# Altium PCB Kit ELO_DEVMPDv1.PcbDoc
Units mm, origin at the board's own origin, x right, y up, seen from the top; angles counter-clockwise.
Board outline 68 x 33 mm, 4 copper layers (Top Layer, Signal Layer 2, Signal Layer 1, Bottom Layer), stack 1.66 mm thick; 69 components, 70 nets, 254 pads, 99 vias.
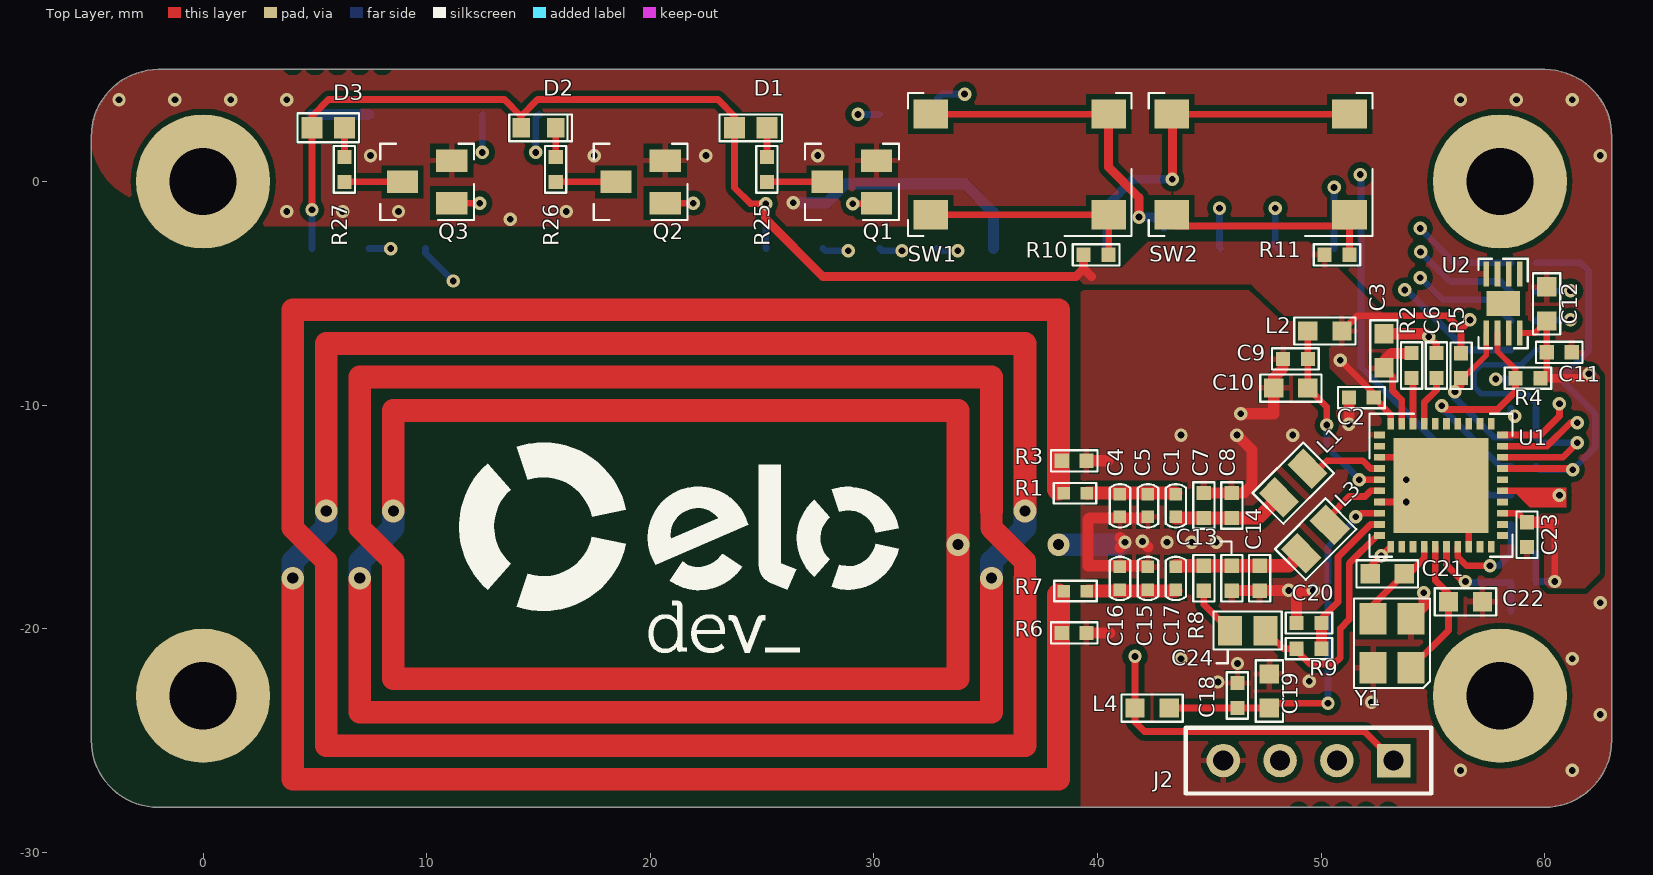
[diagram p0: Top Layer view]
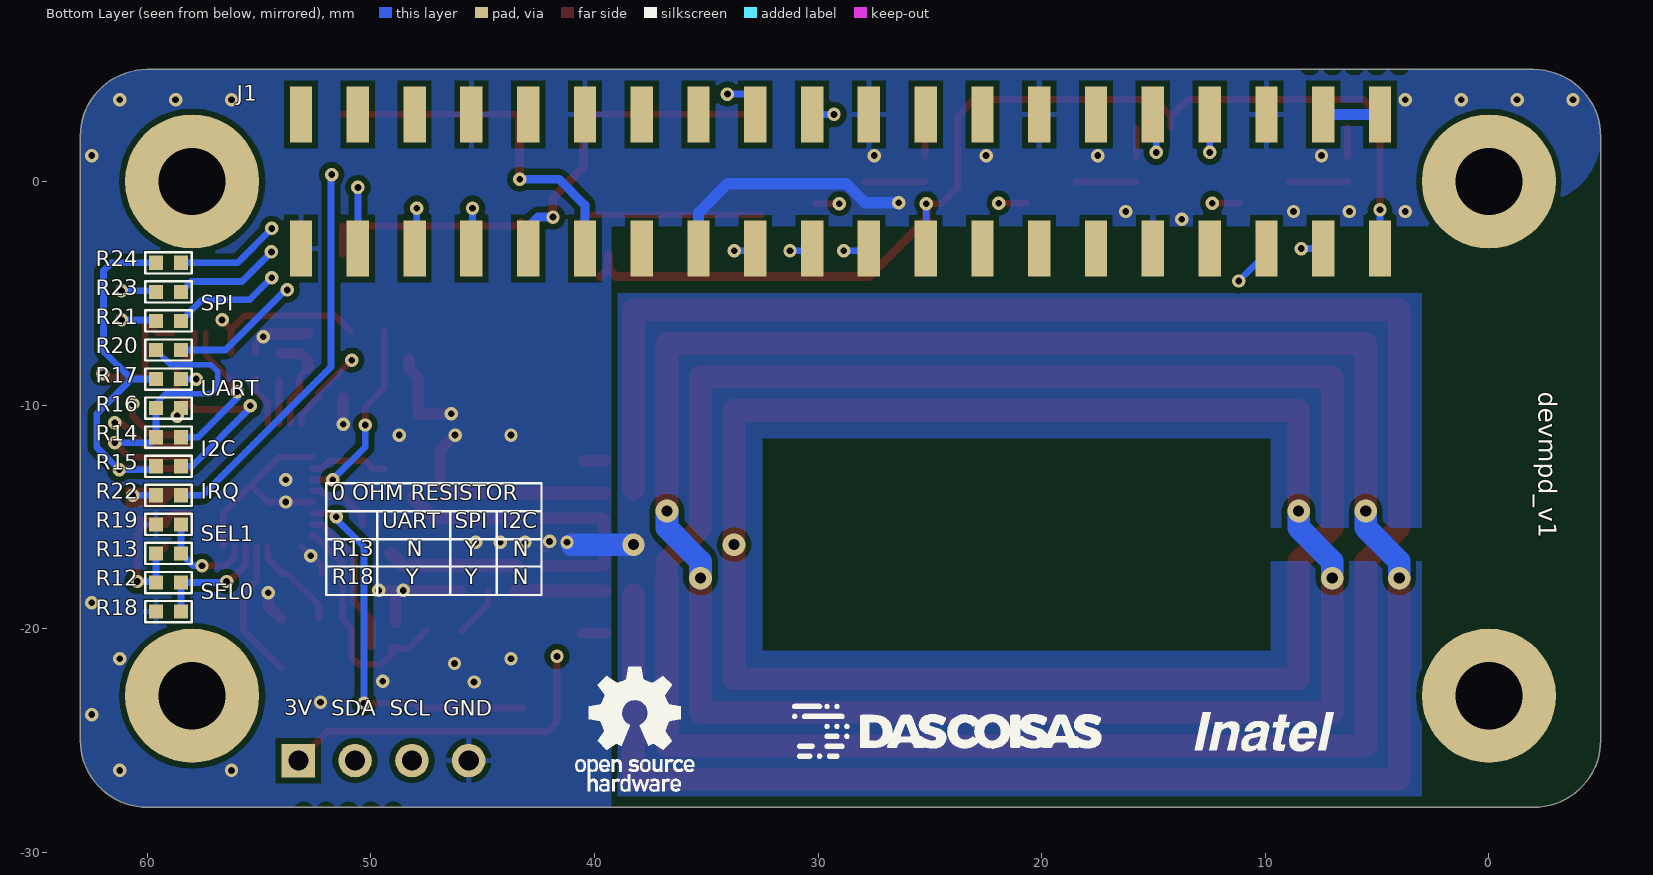
[diagram p1: Bottom Layer view, seen from below]
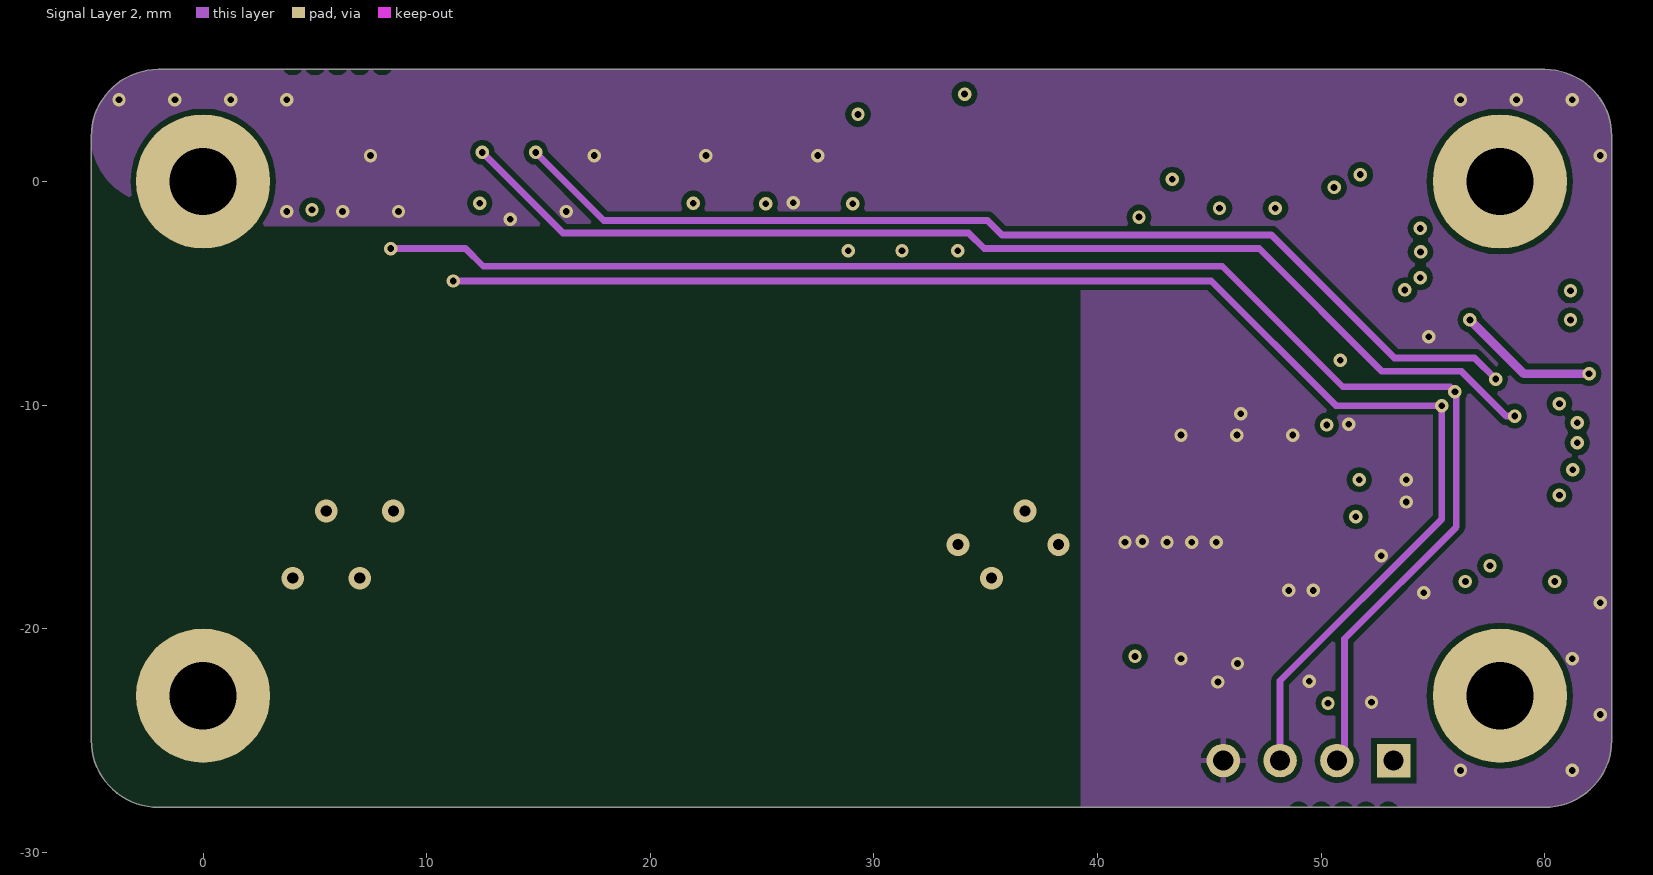
[diagram p2: Signal Layer 2]
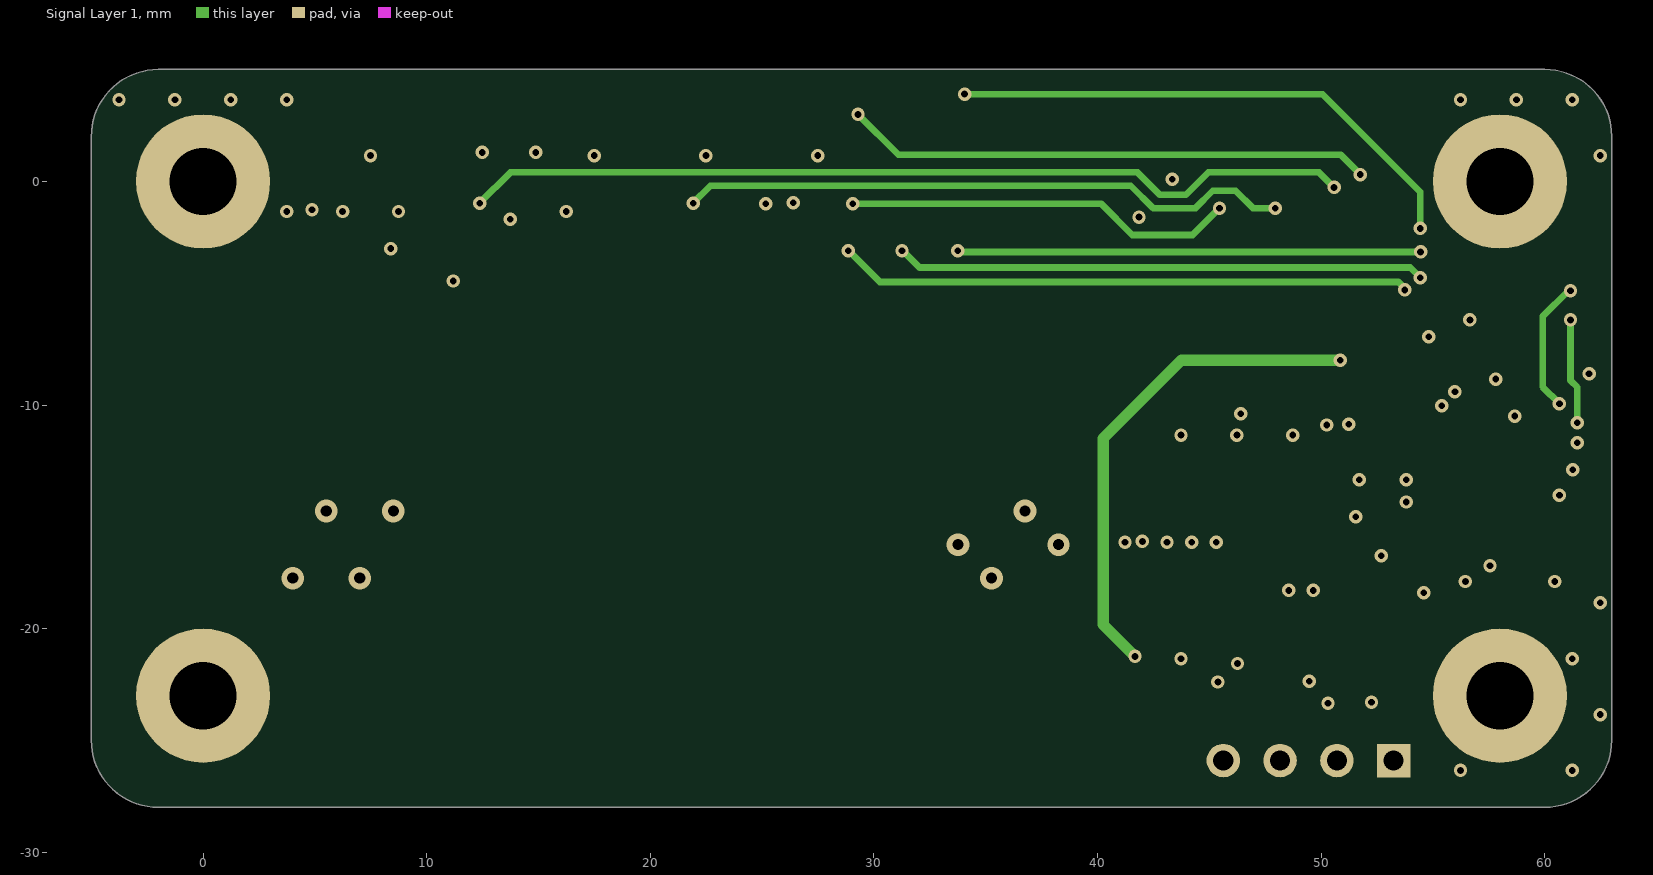
[diagram p3: Signal Layer 1]

## Layer stack, top to bottom
Top Solder: solder mask 0.0102, Solder Resist, Dk 3.5
Top Layer: signal copper 0.035
Dielectric 3: dielectric 0.36, Dk 4.2
Signal Layer 2: signal copper 0.035
Dielectric 1: dielectric 0.8, FR-4, Dk 4.8
Signal Layer 1: signal copper 0.035
Dielectric 2: dielectric 0.36, Dk 4.2
Bottom Layer: signal copper 0.035
Bottom Solder: solder mask 0.0102, Solder Resist, Dk 3.5

## Board outline
-5,-24.99 -5,2.01 cw(c-2,2.01) -2,5.01 60.01,5.01 cw(c60.01,2.02) 63,2.02 63,-24.99 cw(c60,-24.99) 60,-27.99 -2,-27.99 cw(c-2,-24.99)

## Design rules (kind name [scope] priority, off if disabled: settings)
Clearance [All] p1: gap=0.254 ignorepadtopadclearanceinfootprint=FALSE except(0: Arc-Hole Track-Hole SMDPad-Hole THPad-Hole Via-Hole Fill-Hole Poly-Hole Region-Hole Text-Hole; 0.14: SMDPad-SMDPad; 0.2: Arc-Arc Arc-Track Arc-SMDPad Arc-Via Track-Track Track-SMDPad Track-Via)
HoleSize [All] p1: absolutevalues=TRUE maxlimit=6 minlimit=0.025 maxpercent=80.000 minpercent=20.000
PolygonConnect PolygonConnect_1 [IsVia] p1: connectstyle=Direct reliefconductorwidth=0.254 reliefentries=4 polygonreliefangle="45 Angle" airgapwidth=0.254
PolygonConnect [All] p2: connectstyle=Relief reliefconductorwidth=0.254 reliefentries=4 polygonreliefangle="90 Angle" airgapwidth=0.254
RoutingVias [All] p1: holewidth=0.3 width=0.6 viastyle="Through Hole" minholewidth=0.3 minwidth=0.6 maxholewidth=0.5 maxwidth=1
SilkToSilkClearance [All] p1: silktosilkclearance=0.12
SilkToSolderMaskClearance [IsPad] p1: minsilkscreentomaskgap=0.05 clearancetoexposedcopper=TRUE
SolderMaskExpansion [All] p1: expansion=0.102
Width [All] p1: maxlimit=1.5 minlimit=0.2 preferedwidth=0.254
27 further rules are at their usual default settings.

## Components (designator, comment, footprint, x,y, rotation, side; value= is the part's Value field where it differs from the comment)
C1 "56pF" 0402-3D 43.509,-14.492 r90 top
C2 "0.1uF" "STD 0402 REFLOW CAP" 51.804,-9.663 r0 top
C3 "10uF" "STD 0603 REFLOW CAP" 52.813,-7.575 r90 top
C4 "20pF" 0402-3D 41.009,-14.492 r90 top
C5 "430pF" 0402-3D 42.259,-14.492 r90 top
C6 "0.1uF" "STD 0402 REFLOW CAP" 55.163,-8.229 r270 top
C7 "NC" "STD 0402 REFLOW CAP" 44.759,-14.492 r90 top
C8 "220pF" "STD 0402 REFLOW CAP" 46.009,-14.492 r270 top
C9 "0.1uF" "STD 0402 REFLOW CAP" 48.854,-7.937 r0 top
C10 "10uF" "STD 0603 REFLOW CAP" 48.651,-9.237 r0 top
C11 "0.1uF" "STD 0402 REFLOW CAP" 60.654,-7.642 r180 top
C12 "10uF" "STD 0603 REFLOW CAP" 60.095,-5.475 r90 top
C13 "NC" "STD 0402 REFLOW CAP" 46.009,-17.742 r90 top
C14 "220pF" "STD 0402 REFLOW CAP" 47.259,-17.742 r270 top
C15 "20pF" 0402-3D 42.259,-17.742 r90 top
C16 "430pF" 0402-3D 41.009,-17.742 r90 top
C17 "56pF" 0402-3D 43.509,-17.742 r90 top
C18 "0.1uF" "STD 0402 REFLOW CAP" 46.263,-22.991 r270 top
C19 "10uF" "STD 0603 REFLOW CAP" 47.688,-22.788 r270 top
C20 "0.1uF" "STD 0402 REFLOW CAP" 49.463,-19.748 r0 top
C21 "33pF" "STD 0603 REFLOW CAP" 52.963,-17.55 r0 top
C22 "33pF" "STD 0603 REFLOW CAP" 56.462,-18.8 r180 top
C23 "0.1uF" "STD 0402 REFLOW CAP" 59.213,-15.796 r90 top
C24 "1000pF" "STD 0805 REFLOW CAP" 46.719,-20.085 r180 top
D1 "Red" "STD 0603 REFLOW LED RED" 24.495,2.4 r0 top
D2 "Blue" "STD 0603 REFLOW LED BLUE" 14.996,2.4 r0 top
D3 "Yellow" "STD 0603 REFLOW LED YELLOW" 5.595,2.4 r0 top
J1 "NPTC202KFMS-RC" "CONNECTOR 2.54 20X2 POS" 29,0 r180 bottom
J2 "CONN HEADER 4POS .100 STR TIN" ".100 MILS / 1MM / 4POS" 53.25,-25.9 r180 top
L1 "560nH" "STD 0805 REFLOW IND" 48.759,-13.492 r225 top
L2 "MMZ1608B121CTAH0" "STD 0603 REFLOW IND" 50.175,-6.687 r0 top
L3 "560nH" "STD 0805 REFLOW IND" 49.759,-15.992 r225 top
L4 "MMZ1608B121CTAH0" "STD 0603 REFLOW IND" 42.444,-23.55 r180 top
Q1 "BSS138LT3G" "TO-236-3, SC-59, SOT-23-3" 29.02,-0.018 r90 top
Q2 "BSS138LT3G" "TO-236-3, SC-59, SOT-23-3" 19.57,-0.018 r90 top
Q3 "BSS138LT3G" "TO-236-3, SC-59, SOT-23-3" 10.02,-0.018 r90 top
R1 "0.5R" 0402-3D 39.009,-13.942 r0 top
R2 "10k" "STD 0402 REFLOW RES" 54.05,-8.229 r270 top
R3 "NC" "STD 0402 REFLOW RES" 38.959,-12.492 r180 top
R4 "4.7k" "STD 0402 REFLOW RES" 59.259,-8.8 r0 top
R5 "4.7k" "STD 0402 REFLOW RES" 56.263,-8.237 r90 top
R6 "NC" "STD 0402 REFLOW RES" 38.959,-20.192 r0 top
R7 "0.5R" 0402-3D 39.009,-18.317 r180 top
R8 "1.69k" "STD 0402 REFLOW RES" 44.759,-17.742 r90 top
R9 "1k" "STD 0402 REFLOW RES" 49.463,-20.898 r0 top
R10 "4.7k" "STD 0402 REFLOW RES" 39.941,-3.279 r180 top
R11 "4.7k" "STD 0402 REFLOW RES" 50.716,-3.279 r180 top
R12 "10k" "STD 0402 REFLOW RES" 59.054,-17.937 r0 bottom
R13 "DNP" "STD 0402 REFLOW RES" 59.054,-16.637 r0 bottom
R14 "0.0" "STD 0402 REFLOW RES" 59.054,-11.437 r180 bottom
R15 "0.0" "STD 0402 REFLOW RES" 59.054,-12.737 r180 bottom
R16 "DNP" "STD 0402 REFLOW RES" 59.054,-10.137 r180 bottom
R17 "DNP" "STD 0402 REFLOW RES" 59.054,-8.837 r180 bottom
R18 "DNP" "STD 0402 REFLOW RES" 59.054,-19.237 r180 bottom
R19 "10k" "STD 0402 REFLOW RES" 59.054,-15.337 r180 bottom
R20 "DNP" "STD 0402 REFLOW RES" 59.054,-7.537 r180 bottom
R21 "DNP" "STD 0402 REFLOW RES" 59.054,-6.237 r180 bottom
R22 "0.0" "STD 0402 REFLOW RES" 59.054,-14.037 r180 bottom
R23 "DNP" "STD 0402 REFLOW RES" 59.054,-4.937 r180 bottom
R24 "DNP" "STD 0402 REFLOW RES" 59.054,-3.637 r180 bottom
R25 "68" "STD 0402 REFLOW RES" 25.22,0.541 r270 top
R26 "68" "STD 0402 REFLOW RES" 15.77,0.541 r270 top
R27 "68" "STD 0402 REFLOW RES" 6.32,0.541 r270 top
SW1 "PTS645SL50SMTR92 LFS" "CK PTS645SM43SMTR92" 36.525,0.763 r180 top
SW2 "PTS645SL50SMTR92 LFS" "CK PTS645SM43SMTR92" 47.3,0.763 r180 top
U1 "PN5321A3HN/C106;55" "40-HVQFN (6X6)" 55.363,-13.587 r0 top locked
U2 "ATECC508A-MAHDA-S" "8-UDFN (2x3)" 58.145,-5.457 r270 top
Y1 "27.12MHz" 7M-27.120MEEQ-T 53.174,-20.651 r90 top
? "Comment" RASPBERRY-PI-ZERO 0,-23.222 r0 top locked

## Footprints (in the part's own frame and the unit in brackets; to place one, negate y for a bottom-side part, rotate by r counter-clockwise, add the part's x,y. Pads: shape width x height; smd on the part's side, far side on the other; paste and mask are expansions set on the pad)
7M-27.120MEEQ-T [mm]
  rect 1.4x1.2 smd: 1(-1.1,-0.85) 2(1.1,-0.85) 3(1.1,0.85) 4(-1.1,0.85)
  silkscreen extent -2,-1.7 2,1.7, body extent -1.62,-1.32 1.58,1.18, height 0.7
"8-UDFN (2x3)" [mm]
  rect 1.1x0.25 smd: 1(-1.32,0.75) 2(-1.32,0.25) 3(-1.32,-0.25) 4(-1.32,-0.75) 5(1.32,-0.75) 6(1.32,-0.25) 7(1.32,0.25) 8(1.32,0.75)
  rect 1.14x1.5 smd: 9(0,0)
  silkscreen extent -2,-1.1 2,1.1, body extent -1.55,-1.05 1.55,1.05, height 0.6
"40-HVQFN (6X6)" [mm]
  rect 0.5x0.3 smd: 1(-2.75,2.25) 2(-2.75,1.75) 3(-2.75,1.25) 4(-2.75,0.75) 5(-2.75,0.25) 6(-2.75,-0.25) 7(-2.75,-0.75) 8(-2.75,-1.25) 9(-2.75,-1.75) 10(-2.75,-2.25) 21(2.75,-2.25) 22(2.75,-1.75) 23(2.75,-1.25) 24(2.75,-0.75) 25(2.75,-0.25) 26(2.75,0.25) 27(2.75,0.75) 28(2.75,1.25) 29(2.75,1.75) 30(2.75,2.25)
  rect 0.3x0.5 smd: 11(-2.25,-2.75) 12(-1.75,-2.75) 13(-1.25,-2.75) 14(-0.75,-2.75) 15(-0.25,-2.75) 16(0.25,-2.75) 17(0.75,-2.75) 18(1.25,-2.75) 19(1.75,-2.75) 20(2.25,-2.75) 31(2.25,2.75) 32(1.75,2.75) 33(1.25,2.75) 34(0.75,2.75) 35(0.25,2.75) 36(-0.25,2.75) 37(-0.75,2.75) 38(-1.25,2.75) 39(-1.75,2.75) 40(-2.25,2.75)
  rect 4.25x4.25 smd: TP(0,0)
  silkscreen extent -3.2,-3.2 3.2,3.2, body extent -2.95,-2.95 2.95,2.95, height 1
0402-3D [mil] "0402-3D"
  rect 22x22 smd: 1(-20,0) 2(20,0)
  silkscreen extent -39,-18 38,18, body extent -20,-10 20,10, height 20
".100 MILS / 1MM / 4POS" [mm] "Header connector 4 pos 2.54mm"
  rect 1.5x1.5 hole 0.9: 1(0,0)
  round 1.5 hole 0.9: 2(2.54,0) 3(5.08,0) 4(7.62,0)
  silkscreen extent -1.68,-1.47 9.3,1.47, body extent -1.46,-1.27 9.08,1.27, height 8.51
"CK PTS645SM43SMTR92" [mm] "C&K reference"
  rect 1.55x1.3 smd: 1(-3.975,2.25) 2(3.975,2.25) 3(-3.975,-2.25) 4(3.975,-2.25)
  silkscreen extent -5,-3.2 5,3.2, body extent -4.5,-3 4.5,3, height 7
"CONNECTOR 2.54 20X2 POS" [mm]
  rect 1x2.5 smd: 1(24.13,-3) 2(24.13,3) 3(21.59,-3) 4(21.59,3) 5(19.05,-3) 6(19.05,3) 7(16.51,-3) 8(16.51,3) 9(13.97,-3) 10(13.97,3) 11(11.43,-3) 12(11.43,3) 13(8.89,-3) 14(8.89,3) 15(6.35,-3) 16(6.35,3) 17(3.81,-3) 18(3.81,3) 19(1.27,-3) 20(1.27,3) 21(-1.27,-3) 22(-1.27,3) 23(-3.81,-3) 24(-3.81,3) 25(-6.35,-3) 26(-6.35,3) 27(-8.89,-3) 28(-8.89,3) 29(-11.43,-3) 30(-11.43,3) 31(-13.97,-3) 32(-13.97,3) 33(-16.51,-3) 34(-16.51,3) 35(-19.05,-3) 36(-19.05,3) 37(-21.59,-3) 38(-21.59,3) 39(-24.13,-3) 40(-24.13,3)
  body extent -25.65,-3.94 25.65,3.94, height 9.76
RASPBERRY-PI-ZERO [mm]
  body extent -3.49,-4.71 62.41,26.54
"STD 0402 REFLOW CAP" [mil] "0402 smd capacitor reflow Yageo"
  rect 25x25 smd: 1(-22,0) 2(22,0)
  silkscreen extent -41,-19 41,19, body extent -20,-10 20,10, height 19
"STD 0402 REFLOW RES" [mil] "0402 smd resistor reflow Vishay"
  rect 25x25 smd: 1(-22,0) 2(22,0)
  silkscreen extent -41,-19 41,19, body extent -20,-10 20,10, height 11
"STD 0603 REFLOW CAP" [mil] "0603 SMD capacitor reflow Kemet"
  rect 34x34 smd: 1(-30,0) 2(30,0)
  silkscreen extent -54,-24 54,24, body extent -31,-16 31,16, height 20
"STD 0603 REFLOW IND" [mil] "0603 SMD inductor reflow digikey/vishay"
  rect 34x34 smd: 1(-30,0) 2(30,0)
  silkscreen extent -54,-24 54,24, body extent -31,-16 32,16, height 31
"STD 0603 REFLOW LED BLUE" [mm] "0603 SMD Lite-On reference"
  rect 0.787x0.864 smd mask+0.1: 1(-0.774,0) 2(0.774,0)
  silkscreen extent -1.3,-0.6 1.5,0.6, body extent -0.85,-0.45 0.85,0.45, height 0.9
"STD 0603 REFLOW LED RED" [mm] "0603 SMD Lite-On reference"
  rect 0.95x0.95 smd mask+0.1: 1(-0.725,0) 2(0.725,0)
  silkscreen extent -1.4,-0.6 1.4,0.6, body extent -0.85,-0.45 0.85,0.45, height 0.9
"STD 0603 REFLOW LED YELLOW" [mm] "0603 SMD Lite-On reference"
  rect 0.95x0.95 smd mask+0.1: 1(-0.725,0) 2(0.725,0)
  silkscreen extent -1.38,-0.65 1.38,0.65, body extent -0.8,-0.4 0.8,0.4, height 0.6
"STD 0805 REFLOW CAP" [mil] "0805 smd capacitor reflow Yageo"
  rect 42.5x52 smd mask+3.94: 1(-31.25,0) 2(31.25,0)
  silkscreen extent -60,-33 60,33, body extent -39,-25 40,25, height 23
"STD 0805 REFLOW IND" [mm] "Murata reference"
  rect 1.016x1.549 smd: 1(-0.902,0) 2(0.902,0)
  rect 0.6x1.25 smd: 1(-0.9,0) 2(0.9,0)
  silkscreen extent -1.6,-0.97 1.6,0.97, body extent -1,-0.6 1,0.6, height 0.95
"TO-236-3, SC-59, SOT-23-3" [mm]
  rect 1x1.4 smd: 1(-0.95,-1.1) 2(0.95,-1.1) 3(0,1.1)
  silkscreen extent -1.7,-2.1 1.7,2.1, body extent -1.5,-1.5 1.5,1.5, height 1.3

## Part data
C1 C17: library part "56pF 5% 0402 MLCC NP0 50V", "CAP CER 56PF 50V C0G/NP0 0402", Supplier Part Number 1=720-1293-1-ND, Voltage=50V, Creation Date=2018/01/10, Features="High Q, Low Loss", Size=0402, Supplier 1=Digi-Key, Supplier 2=Mouser, Supplier 3=Newark, Supplier Part Number 2=77-VJ0402D560JXAAJ, Supplier Part Number 3=56Y8998, User="Jean Pierre", Version=V01
C2 C6 C9 C11 C18 C20 C23: library part "CAP CER 0.1UF 10V X5R 0402", "CAP CER 0.1UF 10V X5R 0402", Manufacturer="Murata Electronics North America", Manufacturer Part Number=GRM155R61A104KA01D, Operating Temperature="-55°C ~ 85°C", Package / Case="0402 (1005 Metric)", Ratings=-, Supplier Part Number 1=490-1318-2-ND, Temperature Coefficient=X5R, Tolerance=±10%, Voltage - Rated=10V, Applications="General Purpose", Capacitance=0.1uF, Category=Capacitors, ComponentLink1Description=http://www.murata.com/~/media/webrenewal/support/library/catalog/products/capacitor/mlcc/c02e.pdf, ComponentLink1URL=http://www.murata.com/~/media/webrenewal/support/library/catalog/products/capacitor/mlcc/c02e.pdf, Features=-, Height - Seated (Max)=-, Lead Spacing=-, Lead Style=-, Mounting Type="Surface Mount, MLCC", Packaging="Tape & Reel (TR)", Part Status=Active, Pricing 1="10000=0.00231, 20000=0.0022, 30000=0.00209 (USD)", RoHS="RoHS Compliant", Size / Dimension="0.039\" L x 0.020\" W (1.00mm x 0.50mm)", Stock 1=9840000, Supplier 1=Digi-Key, Thickness (Max)="0.022\" (0.55mm)"
C3 C10 C12 C19: library part "CAP CER 10UF 16V X5R 0603", "CAP CER 10UF 16V X5R 0603", Manufacturer="Murata Electronics North America", Manufacturer Part Number=GRM188R61C106KAALD, Operating Temperature="-55°C ~ 85°C", Package / Case="0603 (1608 Metric)", Ratings=-, Supplier Part Number 1=490-10728-2-ND, Temperature Coefficient=X5R, Tolerance=±10%, Voltage - Rated=16V, Applications="General Purpose", Capacitance=10uF, Category=Capacitors, ComponentLink1Description=http://search.murata.co.jp/Ceramy/image/img/A01X/G101/ENG/GRM188R61C106KAAL-01.pdf, ComponentLink1URL=http://search.murata.co.jp/Ceramy/image/img/A01X/G101/ENG/GRM188R61C106KAAL-01.pdf, Features=-, Height - Seated (Max)=-, Lead Spacing=-, Lead Style=-, Mounting Type="Surface Mount, MLCC", Packaging="Tape & Reel (TR)", Part Status=Active, Pricing 1="4000=0.07854, 8000=0.07392, 12000=0.07161 (USD)", RoHS="RoHS Compliant", Size / Dimension="0.063\" L x 0.032\" W (1.60mm x 0.80mm)", Stock 1=788000, Supplier 1=Digi-Key, Thickness (Max)="0.037\" (0.95mm)"
C4 C15: library part "20pF 5% 0402 MLCC NP0 50V", "CAP CER 20PF 50V C0G/NP0 0402", Supplier Part Number 1=399-7773-1-ND, Voltage=50V, Creation Date=2018/01/10, Size=0402, Supplier 1=Digi-Key, Supplier 2=Mouser, Supplier 3=Newark, Supplier Part Number 2=80-C0402C200J5G, Supplier Part Number 3=36X2577, User="Jean Pierre", Version=V01
C5 C16: library part "430pF 2% 0402 MLCC NP0 50V", "CAP CER 430PF 50V C0G/NP0 0402", Supplier Part Number 1=490-6240-1-ND, Voltage=50V, Creation Date=2018/01/10, Size=0402, Supplier 1=Digi-Key, Supplier 2=Mouser, Supplier Part Number 2=81-GRM1555C1H431GA1D, User="Jean Pierre", Version=V01
C7 C13: library part "CAP CER 0.1UF 10V X5R 0402", Capacitance=0.1uF, Manufacturer="Murata Electronics North America", Manufacturer Part Number=GRM155R61A104KA01D, Operating Temperature="-55°C ~ 85°C", Package / Case="0402 (1005 Metric)", Ratings=-, Supplier Part Number 1=490-1318-2-ND, Temperature Coefficient=X5R, Tolerance=±10%, Voltage - Rated=10V, Applications="General Purpose", Category=Capacitors, ComponentLink1Description=http://www.murata.com/~/media/webrenewal/support/library/catalog/products/capacitor/mlcc/c02e.pdf, ComponentLink1URL=http://www.murata.com/~/media/webrenewal/support/library/catalog/products/capacitor/mlcc/c02e.pdf, Features=-, Height - Seated (Max)=-, Lead Spacing=-, Lead Style=-, Mounting Type="Surface Mount, MLCC", Packaging="Tape & Reel (TR)", Part Status=Active, Pricing 1="10000=0.00231, 20000=0.0022, 30000=0.00209 (USD)", RoHS="RoHS Compliant", Size / Dimension="0.039\" L x 0.020\" W (1.00mm x 0.50mm)", Stock 1=9840000, Supplier 1=Digi-Key, Thickness (Max)="0.022\" (0.55mm)"
C8 C14: library part "CAP CER 220PF 50V C0G/NP0 0402", "CAP CER 220PF 50V C0G/NP0 0402", Manufacturer="Samsung Electro-Mechanics", Manufacturer Part Number=CL05C221JB5NNNC, Operating Temperature="-55°C ~ 125°C", Package / Case="0402 (1005 Metric)", Ratings=-, Supplier Part Number 1=1276-1059-2-ND, Temperature Coefficient="C0G, NP0", Tolerance=±5%, Voltage - Rated=50V, Applications="General Purpose", Capacitance=220pF, Category=Capacitors, ComponentLink1Description=http://media.digikey.com/pdf/Data%20Sheets/Samsung%20PDFs/CL_Series_MLCC_ds.pdf, ComponentLink1URL=http://media.digikey.com/pdf/Data%20Sheets/Samsung%20PDFs/CL_Series_MLCC_ds.pdf, Features=-, Height - Seated (Max)=-, Lead Spacing=-, Lead Style=-, Mounting Type="Surface Mount, MLCC", Packaging="Tape & Reel (TR)", Part Status=Active, Pricing 1="10000=0.00238, 20000=0.00227, 30000=0.00215 (USD)", RoHS="RoHS Compliant", Size / Dimension="0.039\" L x 0.020\" W (1.00mm x 0.50mm)", Stock 1=2140000, Supplier 1=Digi-Key, Thickness (Max)="0.022\" (0.55mm)"
C21 C22: library part "CAP CER 33PF 50V C0G/NP0 0603", "CAP CER 33PF 50V C0G/NP0 0603", Manufacturer="Murata Electronics North America", Manufacturer Part Number=GRM1885C1H330JA01D, Operating Temperature="-55°C ~ 125°C", Package / Case="0603 (1608 Metric)", Ratings=-, Supplier Part Number 1=490-1415-2-ND, Temperature Coefficient="C0G, NP0", Tolerance=±5%, Voltage - Rated=50V, Applications="General Purpose", Capacitance=33pF, Category=Capacitors, ComponentLink1Description=http://www.murata.com/~/media/webrenewal/support/library/catalog/products/capacitor/mlcc/c02e.pdf, ComponentLink1URL=http://www.murata.com/~/media/webrenewal/support/library/catalog/products/capacitor/mlcc/c02e.pdf, Features=-, Height - Seated (Max)=-, Lead Spacing=-, Lead Style=-, Mounting Type="Surface Mount, MLCC", Packaging="Tape & Reel (TR)", Part Status=Active, Pricing 1="4000=0.0129, 8000=0.01178, 12000=0.01122 (USD)", RoHS="RoHS Compliant", Size / Dimension="0.063\" L x 0.032\" W (1.60mm x 0.80mm)", Stock 1=584000, Supplier 1=Digi-Key, Thickness (Max)="0.035\" (0.90mm)"
C24: library part "CAP CER 1000PF 50V C0G/NP0 0805", "CAP CER 1000PF 50V C0G/NP0 0805", Manufacturer="AVX Corporation", Manufacturer Part Number=08055A102GAT2A, Operating Temperature="-55°C ~ 125°C", Package / Case="0805 (2012 Metric)", Ratings=-, Supplier Part Number 1=478-3760-2-ND, Temperature Coefficient="C0G, NP0", Tolerance=±2%, Voltage - Rated=50V, Applications="General Purpose", Capacitance=1000pF, Category=Capacitors, ComponentLink1Description=http://datasheets.avx.com/C0GNP0-Dielectric.pdf, ComponentLink1URL=http://datasheets.avx.com/C0GNP0-Dielectric.pdf, Failure Rate=-, Features=-, Height - Seated (Max)=-, Lead Spacing=-, Lead Style=-, Mounting Type="Surface Mount, MLCC", Packaging="Tape & Reel (TR)", Part Status=Active, Pricing 1="4000=0.1094, 8000=0.10296, 12000=0.09974 (USD)", RoHS="RoHS Compliant", Size / Dimension="0.079\" L x 0.049\" W (2.01mm x 1.25mm)", Stock 1=12000, Supplier 1=Digi-Key, Thickness (Max)="0.037\" (0.94mm)"
D1: library part "LED RED CLEAR 0603 SMD", "LED RED CLEAR 0603 SMD", Current - Test=10mA, Lens Color=Colorless, Manufacturer="Lite-On Inc.", Manufacturer Part Number=LTST-C190EKT, Millicandela Rating=2mcd, Package / Case="0603 (1608 Metric)", Supplier Device Package=-, Supplier Part Number 1=160-1182-2-ND, Voltage - Forward (Vf) (Typ)=2V, Category=Optoelectronics, Color=Red, ComponentLink1Description=http://media.digikey.com/pdf/Data%20Sheets/Lite-On%20PDFs/LTST-C190EKT.pdf, ComponentLink1URL=http://media.digikey.com/pdf/Data%20Sheets/Lite-On%20PDFs/LTST-C190EKT.pdf, Features=-, Height (Max)=0.80mm, Lens Style/Size="Rectangle with Flat Top, 1.10mm x 0.80mm", Lens Transparency=Clear, Mounting Type="Surface Mount", Packaging="Tape & Reel (TR)", Part Status=Active, Pricing 1="3000=0.04646, 6000=0.0404, 15000=0.03636, 30000=0.03232, 75000=0.02929, 150000=0.02727 (USD)", RoHS="RoHS Compliant", Size / Dimension="1.60mm L x 0.80mm W", Stock 1=78000, Supplier 1=Digi-Key, Viewing Angle=130°, Wavelength - Dominant=621nm, Wavelength - Peak=630nm